# KiCad board S100-Backplane.kicad_pcb
date: 3 may 2015
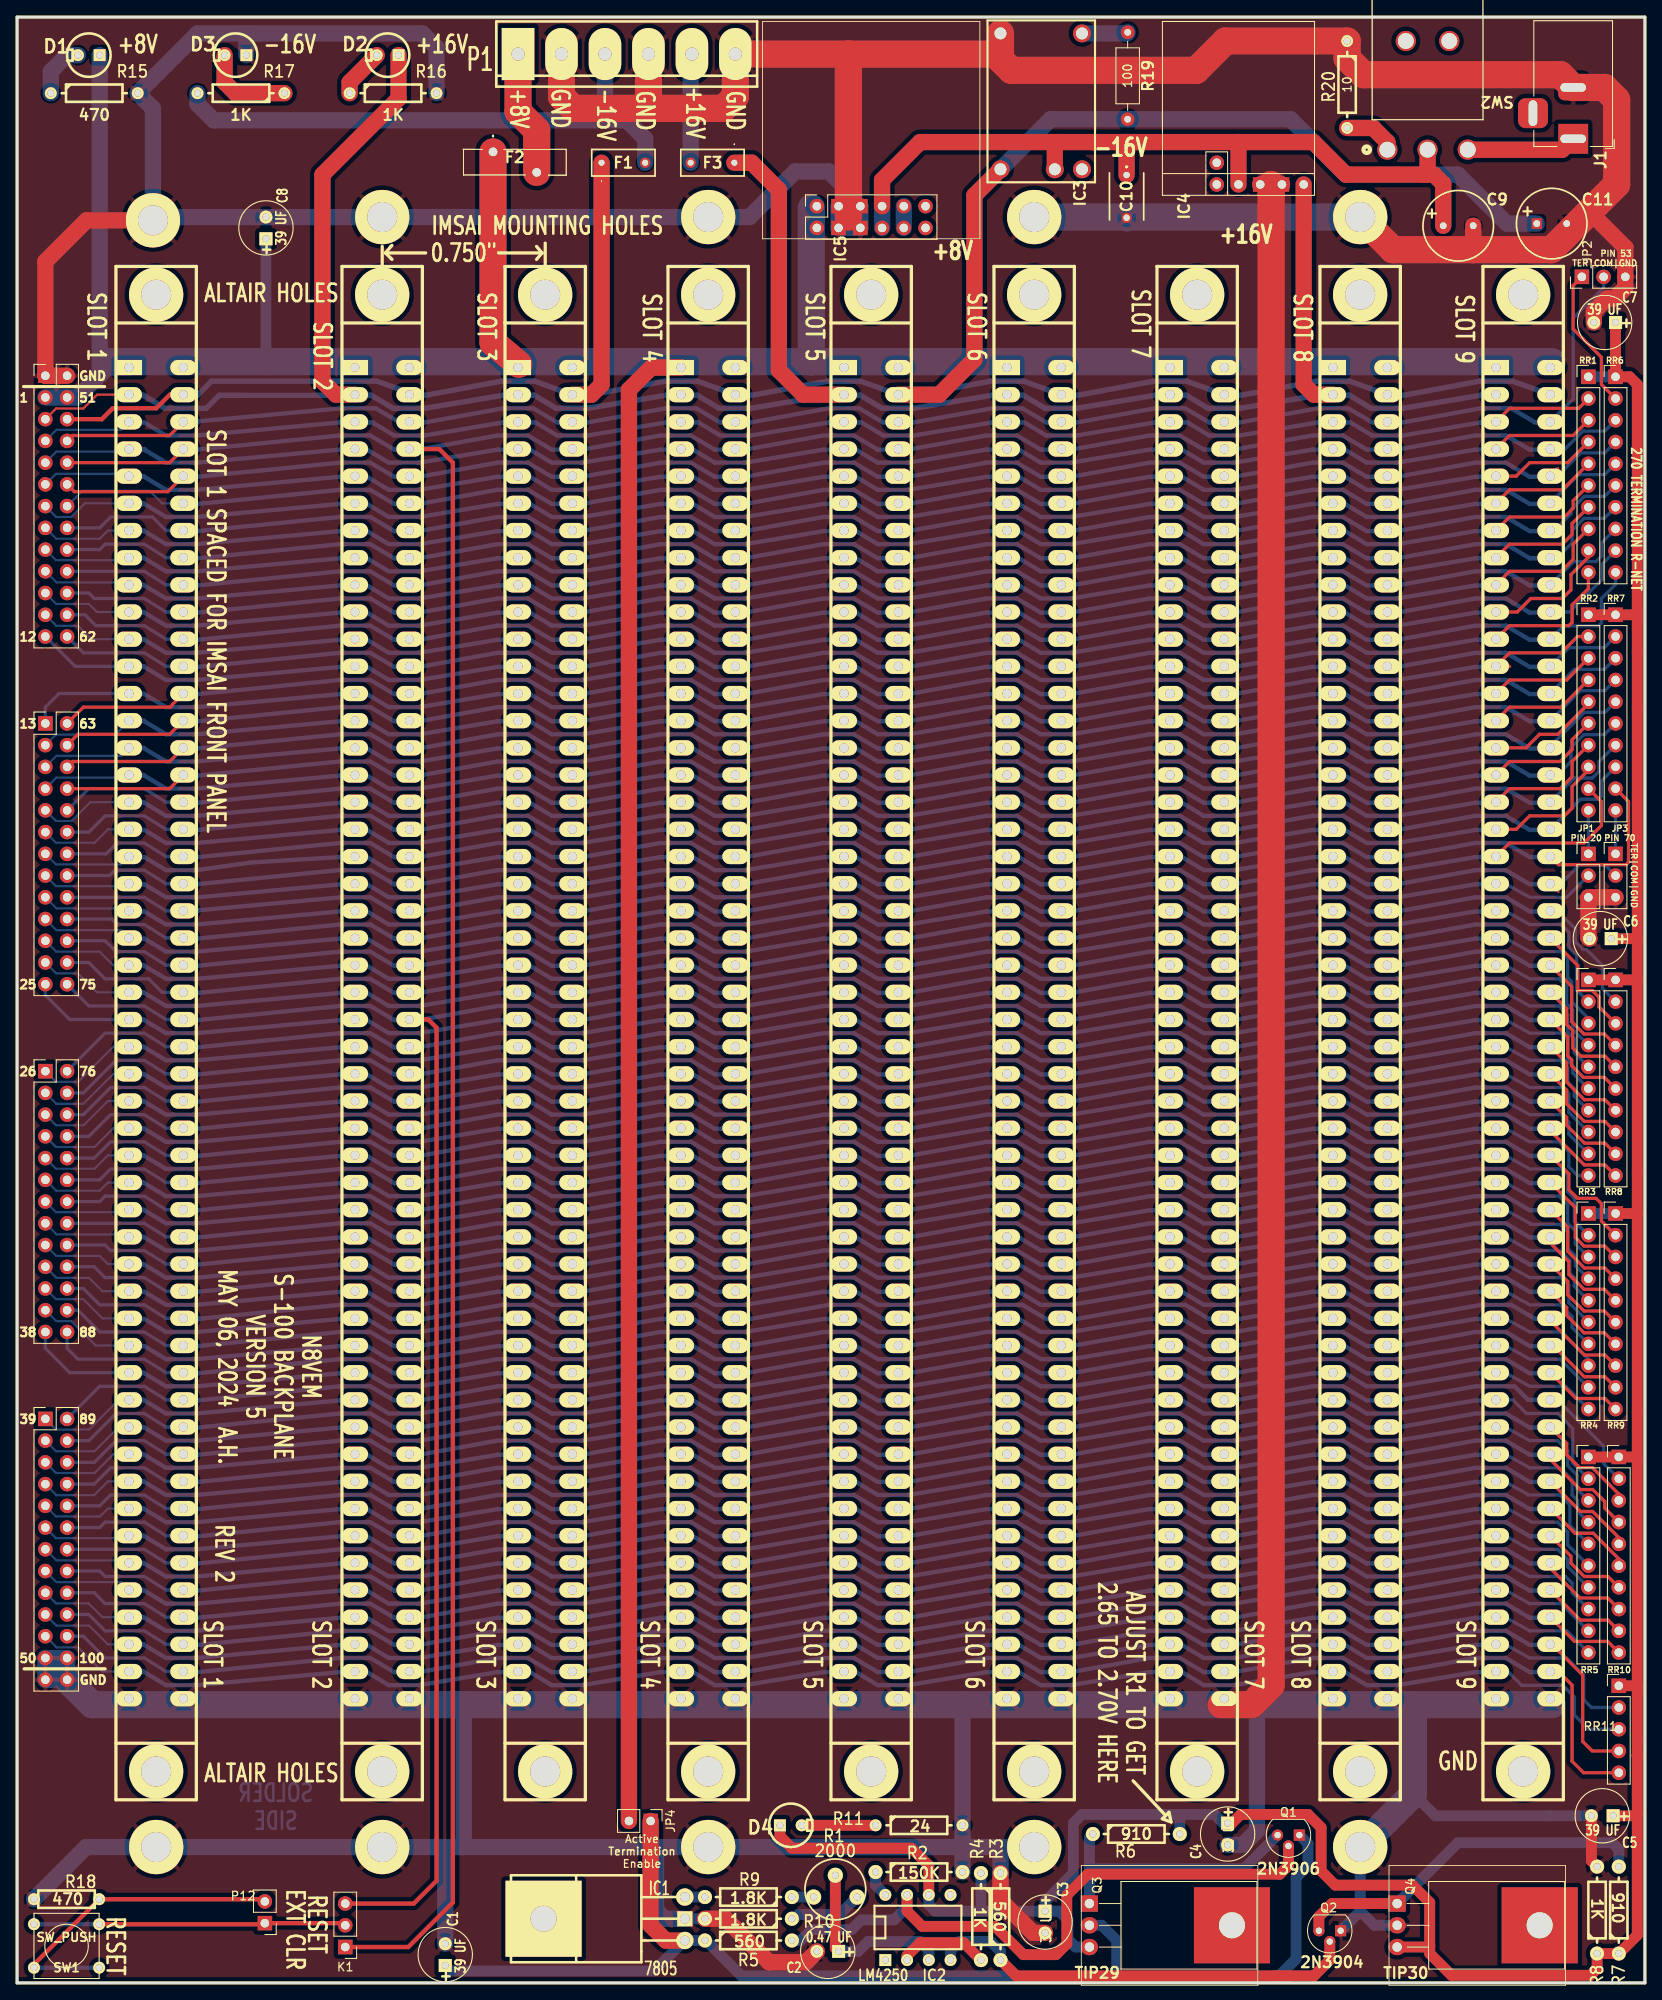
[diagram p0: board, top side]
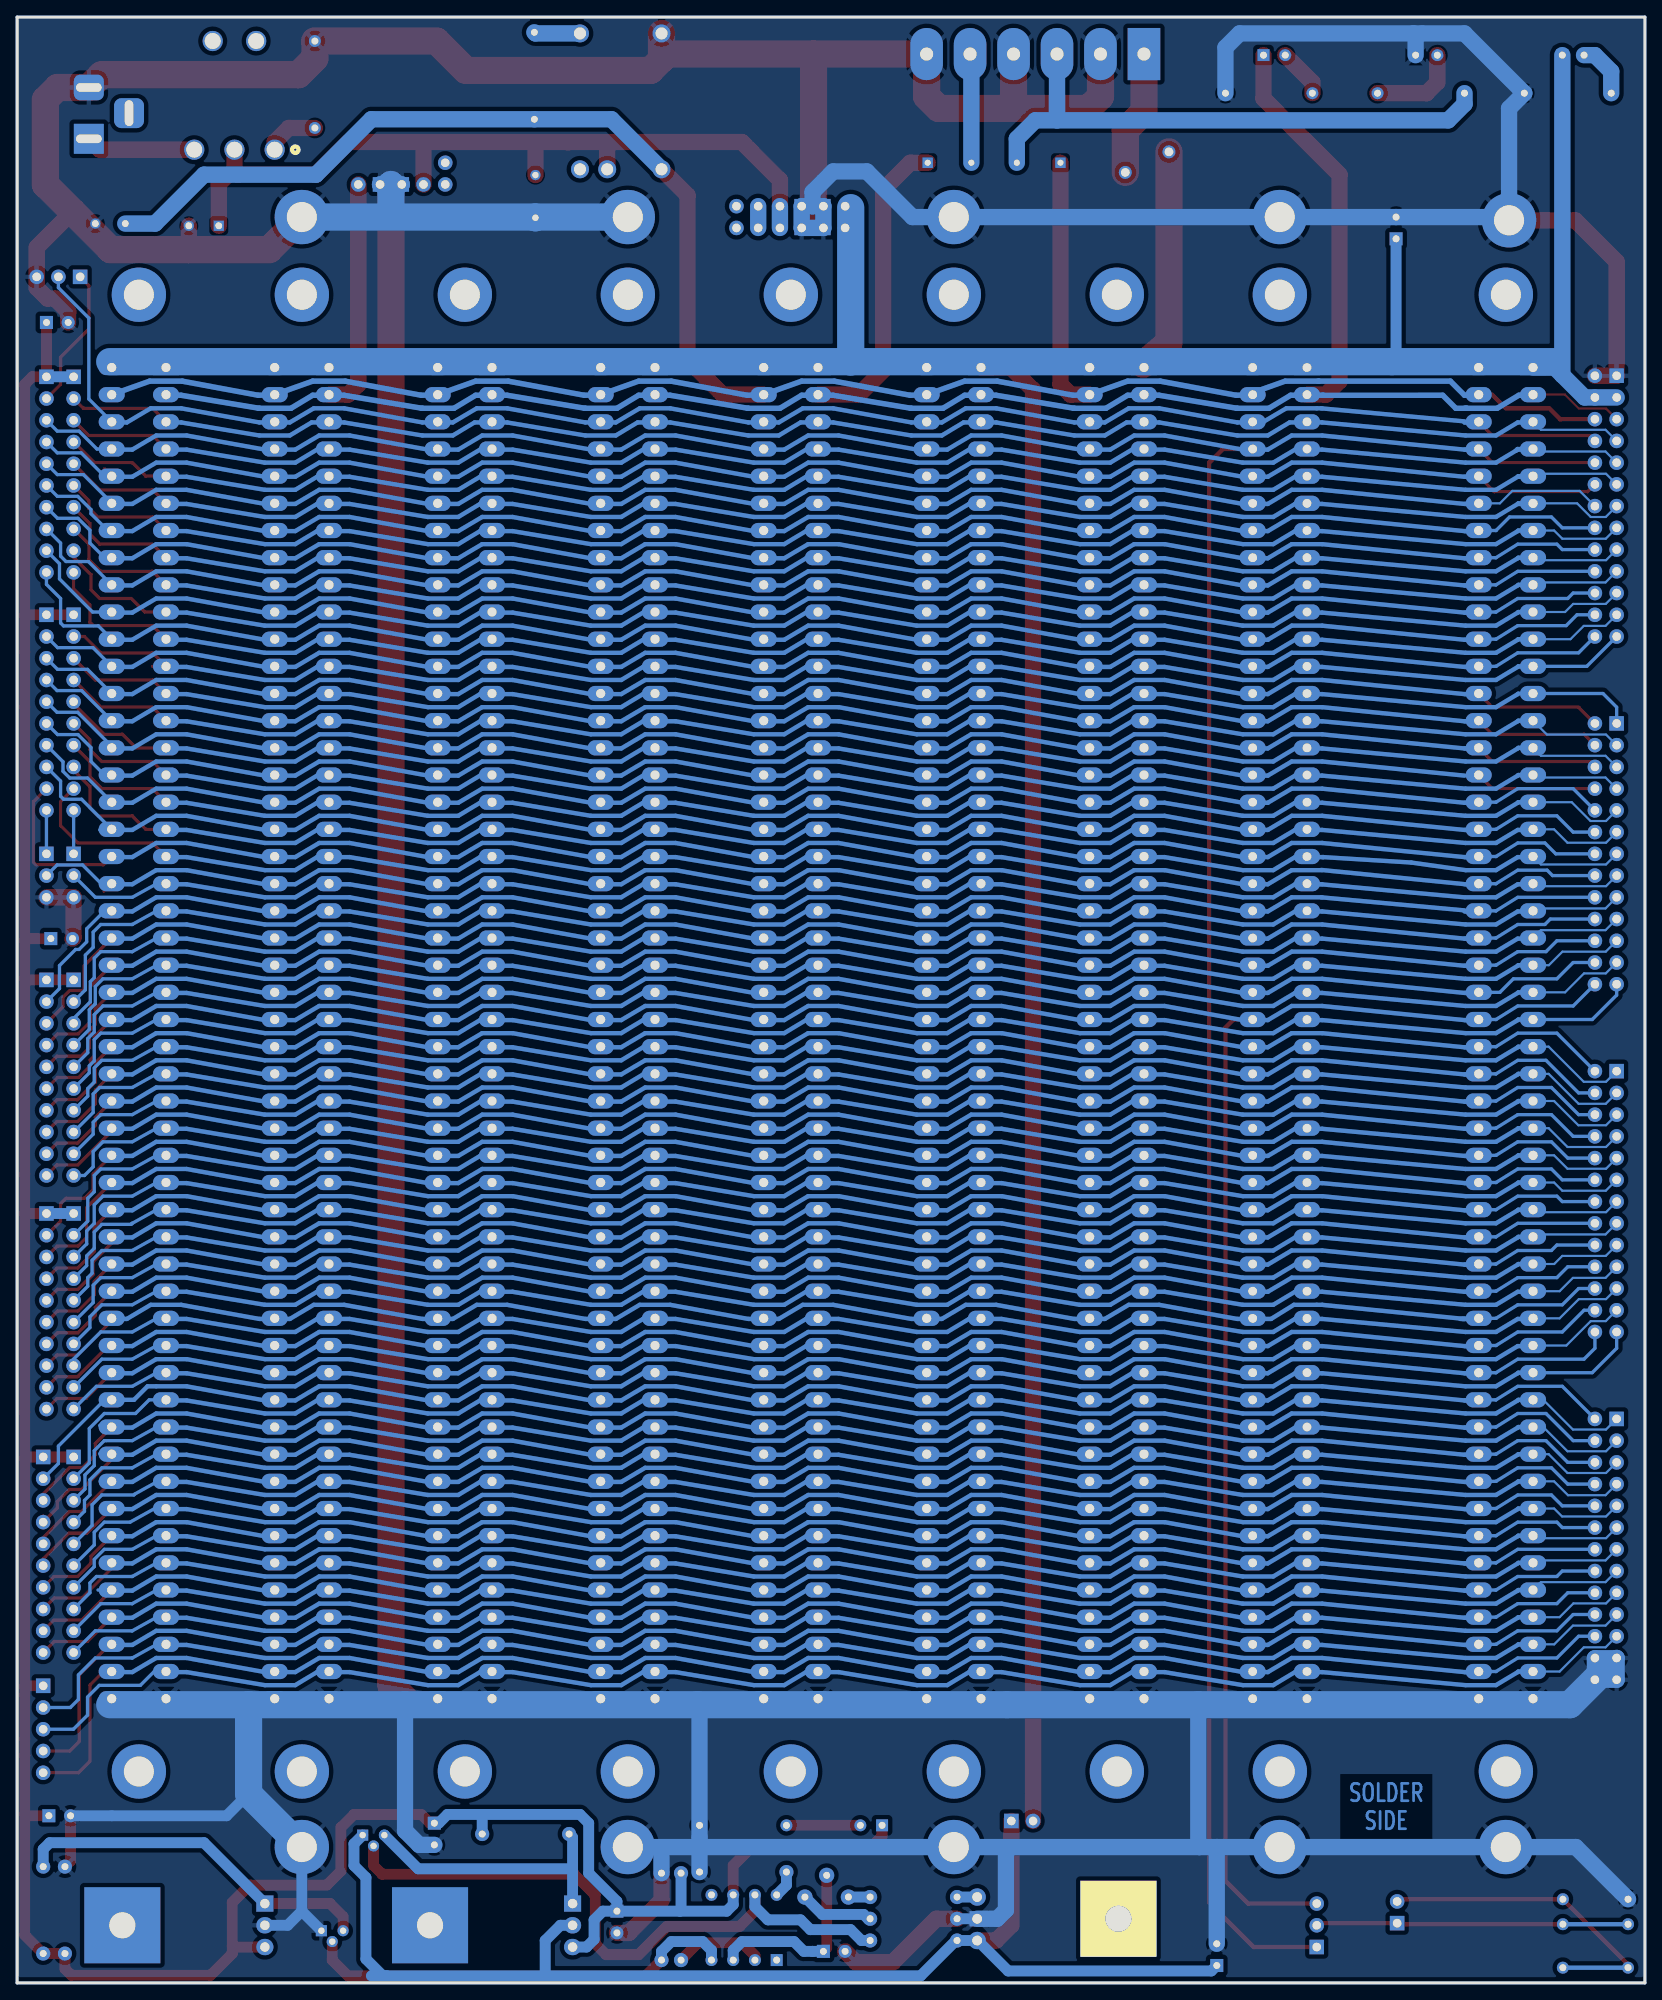
[diagram p1: board, bottom side, seen from below]

Outline 190.25 x 229.74 mm; copper layers: Component, Copper. Coordinates in mm from the lower left corner of the outline.
Outline path: 0,229.74 0,0 190.25,0 190.25,229.74 0,229.74
Stack: Component 0.035mm / dielectric 1.51mm FR4 er 4.5 / Copper 0.035mm

## Placement (name value [footprint] x y rotation side)
C1  39 UF  [C1V7]  50.04 3.3 90 top
C2  0.47 UF  [C1V7]  94.74 3.68 180 top
C3  39 UF  [C1V7]  120.14 7.11 270 top
C4  39 UF  [C1V7]  141.48 17.4 270 top
C5  39 UF  [C1V7]  185.27 19.53 180 top
C6  39 UF  [C1V7]  185.04 122.05 180 top
C7  39 UF  [C1V7]  185.55 194.06 180 top
C8  39 UF  [C1V7]  29.08 205.11 90 top
C9  100uF 50V  [CAPPRD350W60D825H1350]  166.68 205.36 0 top
C10  4.7uF 50V  [RDER72E154K3M1H03A]  129.67 211.29 270 top
C11  100uF 50V  [CAPPRD350W60D825H1350]  177.6 205.61 0 top
D1  LED  [LEDV]  8.38 225.3 180 top
D2  LED  [LEDV]  43.31 225.3 180 top
D3  LED  [LEDV]  25.53 225.3 180 top
D4  LED  [LEDV]  90.42 18.42 0 top
F1  MF-R050-2  [MFR0502]  68.31 212.73 0 top
F2  MF-R250-2  [MFR2502]  55.63 214 0 top
F3  MF-R050-2  [MFR0502]  83.82 212.73 180 top
IC1  7805  [LM78XX]  78.04 7.49 180 top
IC2  LM4250  [8dip300]  105.28 6.48 0 top
IC3  PTN78000AAH  [EUS_R-PDSS-T5_]  113.41 210.44 90 top
IC4  15V D30V30F15  [D30V30F15]  150.37 210.19 270 top
IC5  7.5V D36V50F7  [D36V50F7]  99.82 216.53 270 top
J1  Barrel_Jack_MountingPin  [BarrelJack_Horizontal]  181.86 215.52 270 top
JP1  Jumper_3_Open  [PinHeader_1x03_P2.54mm_Vertical]  183.64 131.95 0 top
JP2  Jumper_3_Open  [PinHeader_1x03_P2.54mm_Vertical]  182.88 199.39 90 top
JP3  Jumper_3_Open  [PinHeader_1x03_P2.54mm_Vertical]  186.82 131.95 0 top
JP4  ~  [PinHeader_1x02_P2.54mm_Vertical]  74.05 18.92 270 top
K1  CONN_3  [PinHeader_1x03_P2.54mm_Vertical]  38.35 4.19 180 top
P1  CONN_3X2  [bornier6]  71.25 225.43 0 top
P2  CONN_13X2  [PinHeader_2x13_P2.54mm_Vertical]  3.3 187.83 0 top
P3  CONN_13X2  [PinHeader_2x13_P2.54mm_Vertical]  3.3 147.19 0 top
P4  CONN_13X2  [PinHeader_2x13_P2.54mm_Vertical]  3.3 106.55 0 top
P5  CONN_13X2  [PinHeader_2x13_P2.54mm_Vertical]  3.3 65.91 0 top
P9  CONN_1  [1pin]  80.77 206.38 0 top
P9#2  CONN_1  [1pin]  15.88 205.99 0 top
P9#3  CONN_1  [1pin]  118.87 206.38 0 top
P9#4  CONN_1  [1pin]  156.97 206.38 0 top
P9#5  CONN_1  [1pin]  42.67 206.38 0 top
P9#6  CONN_1  [1pin]  80.77 15.88 0 top
P9#7  CONN_1  [1pin]  118.87 15.88 0 top
P9#8  CONN_1  [1pin]  156.97 15.88 0 top
P9#9  CONN_1  [1pin]  16.26 15.88 0 top
P9#10  CONN_1  [1pin]  42.67 15.88 0 top
P12  CONN_2  [PinHeader_1x02_P2.54mm_Vertical]  28.96 6.98 180 top
Q1  2N3906TF  [TO-92]  149.86 17.27 180 top
Q2  2N3904TA  [TO-92]  154.69 6.1 180 top
Q3  TIP29BG  [TO-220-3_Horizontal_TabDown]  125.33 9.27 270 top
Q4  TIP30CG  [TO-220-3_Horizontal_TabDown]  161.29 9.27 270 top
R1  2000  [RV2]  95.63 11.3 0 top
R2  150K  [R3]  105.41 12.95 0 top
R3  560  [R3]  114.94 7.75 90 top
R4  1000  [R3]  112.65 7.75 270 top
R5  560  [R3]  85.47 4.95 0 top
R6  910  [R3]  130.81 17.4 0 top
R7  910  [R3]  187.2 8.51 90 top
R8  1000  [R3]  184.66 8.51 90 top
R9  1800  [R3]  85.47 10.03 180 top
R10  1800  [R3]  85.47 7.49 180 top
R11  27  [R3#3]  105.41 18.42 0 top
R15  470  [R3#3]  9.02 220.85 0 top
R16  1K  [R3#3]  43.94 220.85 0 top
R17  1K  [R3#3]  26.16 220.85 180 top
R18  470  [R3#2]  5.78 9.78 180 top
R19  100R  [R_Axial_DIN0207_L6.3mm_D2.5mm_P10.16mm_Horizontal]  129.79 227.97 270 top
R20  10  [R3#3]  155.45 221.87 270 top
RR1  270  [PinHeader_1x10_P2.54mm_Vertical]  183.64 187.71 0 top
RR2  270  [PinHeader_1x10_P2.54mm_Vertical]  183.64 159.89 0 top
RR3  270  [PinHeader_1x10_P2.54mm_Vertical]  183.64 117.22 0 top
RR4  270  [PinHeader_1x10_P2.54mm_Vertical]  183.64 89.92 0 top
RR5  270  [PinHeader_1x10_P2.54mm_Vertical]  183.64 61.47 0 top
RR6  270  [PinHeader_1x10_P2.54mm_Vertical]  186.82 187.71 0 top
RR7  270  [PinHeader_1x10_P2.54mm_Vertical]  186.82 159.89 0 top
RR8  270  [PinHeader_1x10_P2.54mm_Vertical]  186.82 117.22 0 top
RR9  270  [PinHeader_1x10_P2.54mm_Vertical]  186.82 89.92 0 top
RR10  270  [PinHeader_1x10_P2.54mm_Vertical]  187.2 61.47 0 top
RR11  270  [PinHeader_1x05_P2.54mm_Vertical]  187.2 34.72 0 top
SW1  SW_PUSH  [SW_PUSH_SMALL]  5.78 4.32 180 top
SW2  E101MD1AQE  [SW_E1xxMD1AxE_CNK]  160.15 214.25 180 top
U31  -  [S100_FEMALE]  16.25 111.12 270 top
U32  -  [S100_FEMALE#2]  42.67 111.12 270 top
U33  -  [S100_FEMALE]  61.72 111.12 270 top
U34  -  [S100_FEMALE]  80.77 111.12 270 top
U35  -  [S100_FEMALE]  99.82 111.12 270 top
U36  -  [S100_FEMALE]  118.87 111.12 270 top
U37  -  [S100_FEMALE]  137.92 111.12 270 top
U38  -  [S100_FEMALE]  156.97 111.12 270 top
U39  -  [S100_FEMALE]  176.02 111.12 270 top

## Library data of the parts
C9 C11 = -: Description: Cap Aluminum Lytic 100uF 50V 20% (8 X 12mm) Radial 3.5mm 485mA 3000h 105C Automotive Bulk; Height: 13.5; Manufacturer_Name: Chemi-Con; Manufacturer_Part_Number: ELXZ500ELL101MH12D; Mouser Part Number: 661-ELXZ500ELL101MH1; Mouser Price/Stock: https://www.mouser.co.uk/ProductDetail/Chemi-Con/ELXZ500ELL101MH12D?qs=Bh08734uQZCPydub3Junyw%3D%3D
C10 = -: Description: Capacitor L=5.5mm W=5.0mm T=4.0mm; Height: 6.5; Manufacturer_Name: Murata Electronics; Manufacturer_Part_Number: RCER71H475K3M1H03A; Mouser Part Number: 81-RCER71H475K3M1H3A; Mouser Price/Stock: https://www.mouser.co.uk/ProductDetail/Murata-Electronics/RCER71H475K3M1H03A?qs=Zt%252BKPUOg4oeQuCXQX1BgyA%3D%3D
F1 F3 = -: Description: PTC Resettable Fuse 0.5A(hold) 1A(trip) 60V 40A 0.75W 4s 0.41Ohm Radial 7.9 X 3.1mm T/R Automotive; Height: 13.7; Manufacturer_Name: Bourns; Mouser Part Number: 652-MF-R050-2; Mouser Price/Stock: https://www.mouser.co.uk/ProductDetail/Bourns/MF-R050-2?qs=SMQt91Li6bUV71dYK9Zkdg%3D%3D
F2 = -: Description: Resettable Fuses - PPTC 2.5A 30V 0.025ohm Hold 2.5 Trip 5.00; Height: 18.3; Manufacturer_Name: Bourns; Mouser Part Number: 652-MF-R250-2; Mouser Price/Stock: https://www.mouser.co.uk/ProductDetail/Bourns/MF-R250-2?qs=xEONPtn2o9tIq8F0%2Fjm7xA%3D%3D
IC2 = -: Field8: 386
IC3 = -: Description: DC/DC Power Supply Single-OUT -15 to -3V PTN78000AAH, DC-DC Power Supply Module 7 V Input,, 5-Pin, DIP Module; Manufacturer_Name: Texas Instruments; Mouser Part Number: 595-PTN78000AAH; Mouser Price/Stock: https://www.mouser.co.uk/ProductDetail/Texas-Instruments/PTN78000AAH?qs=sSOk4GDDv7xMxL4enD0otw%3D%3D
IC4 = -: Description: Generic connector, single row, 01x05, script generated (kicad-library-utils/schlib/autogen/connector/)
IC5 = -: Description: Generic connector, double row, 02x06, odd/even pin numbering scheme (row 1 odd numbers, row 2 even numbers), script generated (kicad-library-utils/schlib/autogen/connector/)
J1 = -: Description: DC Barrel Jack with a mounting pin
JP1-JP3 = -: Description: Jumper, 3-pole, both open
JP4 = -: Description: Jumper, 2-pole, open
Q1 = -: Description: ON Semi 2N3906TF PNP Transistor, 200 mA, 40 V, 3-Pin TO-92; Manufacturer_Name: onsemi; Mouser Part Number: 512-2N3906TF; Mouser Price/Stock: https://www.mouser.co.uk/ProductDetail/onsemi-Fairchild/2N3906TF?qs=2V4k6Hs0nQlRuTN1j8DMpA%3D%3D
Q2 = -: Description: Transistor GP BJT NPN 40V 0.2A TO92-3; Manufacturer_Name: onsemi; Mouser Part Number: 512-2N3904TA; Mouser Price/Stock: https://www.mouser.co.uk/ProductDetail/onsemi-Fairchild/2N3904TA?qs=ljbEvF4DwOOn1Ev%2FzRYaoA%3D%3D
Q3 = -: Description: ONSEMI - TIP29BG - Bipolar (BJT) Single Transistor, NPN, 80 V, 1 A, 30 W, TO-220, Through Hole; Height: 4.7; Manufacturer_Name: onsemi
Q4 = -: Description: Complementary Silicon Plastic Power Transistors; Height: 4.83; Manufacturer_Name: onsemi; Mouser Part Number: 863-TIP30CG; Mouser Price/Stock: https://www.mouser.co.uk/ProductDetail/onsemi/TIP30CG?qs=xZq1yRCsb1fdZ1wKETGXLw%3D%3D
R19 = -: Description: Resistor

## Footprints (pads in the part's own frame, mm; a bottom-side part is the same pattern mirrored in y, then rotated)
1pin
  round 6.35 hole 3.505: 1(0,0)
8dip300
  rect 1.397x1.397 hole 0.813: 1(-3.81,-3.81)
  round 1.397 hole 0.813: 2(-1.27,-3.81) 3(1.27,-3.81) 4(3.81,-3.81) 5(3.81,3.81) 6(1.27,3.81) 7(-1.27,3.81) 8(-3.81,3.81)
BarrelJack_Horizontal
  rect 3.5x3.5 hole 1x3: 1(0,0)
  rrect 3x3.5 hole 1x3: 2(-6,0)
  rrect 3.5x3.5 hole 3x1: 3(-3,-4.7)
bornier6
  rect 3.81x6.096 hole 1.524: 1(-12.7,0)
  oval 3.81x6.096 hole 1.524: 2(-7.62,0) 3(-2.54,0) 4(2.54,0) 5(7.62,0) 6(12.7,0)
C1V7
  rect 1.524x1.524 hole 0.813: 1(-1.27,0)
  round 1.524 hole 0.813: 2(1.27,0)
CAPPRD350W60D825H1350
  rect 1.2x1.2 hole 0.8: 1(0,0)
  round 1.2 hole 0.8: 2(3.5,0)
D30V30F15
  round 1.7 hole 1: 1(0,-10.16) 6(-2.54,-10.16)
  oval 1.7x1.7 hole 1: 2(0,-7.62) 5(0,0)
  rect 1.7x1.7 hole 1: 3(0,-5.08) 4(0,-2.54)
D36V50F7
  round 1.7 hole 1: 1(8.89,-6.35)
  oval 1.7x1.7 hole 1: 2(11.43,-6.35) 7(8.89,1.27) 8(11.43,1.27) 9(8.89,3.81) 10(11.43,3.81) 11(8.89,6.35) 12(11.43,6.35)
  rect 1.7x1.7 hole 1: 3(8.89,-3.81) 4(11.43,-3.81) 5(8.89,-1.27) 6(11.43,-1.27)
EUS_R-PDSS-T5_
  round 2.1 hole 1.4: 1(1.52,-1.52) 2(1.52,-7.87) 3(1.52,-11.05) 4(17.4,-11.05) 5(17.4,-1.52)
LEDV
  rect 1.397x1.397 hole 0.813: 1(-1.27,0)
  round 1.397 hole 0.813: 2(1.27,0)
LM78XX
  rect 8.89x8.89 hole 3.048: 4(16.51,0)
  rect 1.778x1.778 hole 1.143: GND(0,0)
  round 2.032 hole 1.143: VI(0,2.54) VO(0,-2.54)
MFR0502
  rect 1.217x1.217 hole 0.71: 1(0,0)
  round 1.217 hole 0.71: 2(5.1,0)
MFR2502
  round 1.515 hole 1.01: 1(0,0) 2(5.1,-2.4)
PinHeader_1x02_P2.54mm_Vertical
  rect 1.7x1.7 hole 1: 1(0,0)
  oval 1.7x1.7 hole 1: 2(0,-2.54)
PinHeader_1x03_P2.54mm_Vertical
  rect 1.7x1.7 hole 1: 1(0,0)
  oval 1.7x1.7 hole 1: 2(0,-2.54) 3(0,-5.08)
PinHeader_1x05_P2.54mm_Vertical
  rect 1.7x1.7 hole 1: 1(0,0)
  oval 1.7x1.7 hole 1: 2(0,-2.54) 3(0,-5.08) 4(0,-7.62) 5(0,-10.16)
PinHeader_1x10_P2.54mm_Vertical
  rect 1.7x1.7 hole 1: 1(0,0)
  oval 1.7x1.7 hole 1: 2(0,-2.54) 3(0,-5.08) 4(0,-7.62) 5(0,-10.16) 6(0,-12.7) 7(0,-15.24) 8(0,-17.78) 9(0,-20.32) 10(0,-22.86)
PinHeader_2x13_P2.54mm_Vertical
  rect 1.7x1.7 hole 1: 1(0,0)
  oval 1.7x1.7 hole 1: 2(2.54,0) 3(0,-2.54) 4(2.54,-2.54) 5(0,-5.08) 6(2.54,-5.08) 7(0,-7.62) 8(2.54,-7.62) 9(0,-10.16) 10(2.54,-10.16) 11(0,-12.7) 12(2.54,-12.7) 13(0,-15.24) 14(2.54,-15.24) 15(0,-17.78) 16(2.54,-17.78) 17(0,-20.32) 18(2.54,-20.32) 19(0,-22.86) 20(2.54,-22.86) 21(0,-25.4) 22(2.54,-25.4) 23(0,-27.94) 24(2.54,-27.94) 25(0,-30.48) 26(2.54,-30.48)
R3
  round 1.651 hole 0.813: 1(-5.08,0) 2(5.08,0)
R3#3
  round 1.397 hole 0.813: 1(-5.08,0) 2(5.08,0)
R3#2
  round 1.397 hole 0.813: 1(-3.81,0) 2(3.81,0)
R_Axial_DIN0207_L6.3mm_D2.5mm_P10.16mm_Horizontal
  round 1.6 hole 0.8: 1(0,0)
  oval 1.6x1.6 hole 0.8: 2(10.16,0)
RDER72E154K3M1H03A
  round 1.2 hole 0.75: 1(0,0) 2(5,0)
RV2
  round 1.778 hole 0.813: 1(-2.54,-1.27) 2(0,1.27) 3(2.54,-1.27)
S100_FEMALE
  rect 1.778x3.048 hole 1.067: 1(-77.666,-3.18)
  oval 1.778x3.048 hole 1.067: 2(-74.491,-3.18) 3(-71.316,-3.18) 4(-68.141,-3.18) 5(-64.966,-3.18) 6(-61.791,-3.18) 7(-58.616,-3.18) 8(-55.441,-3.18) 9(-52.266,-3.18) 10(-49.091,-3.18) 11(-45.916,-3.18) 12(-42.741,-3.18) 13(-39.566,-3.18) 14(-36.391,-3.18) 15(-33.216,-3.18) 16(-30.041,-3.18) 17(-26.866,-3.18) 18(-23.691,-3.18) 19(-20.516,-3.18) 20(-17.341,-3.18) 21(-14.166,-3.18) 22(-10.991,-3.18) 23(-7.816,-3.18) 24(-4.641,-3.18) 25(-1.466,-3.18) 26(1.709,-3.18) 27(4.884,-3.18) 28(8.059,-3.18) 29(11.234,-3.18) 30(14.409,-3.18) 31(17.584,-3.18) 32(20.759,-3.18) 33(23.934,-3.18) 34(27.109,-3.18) 35(30.284,-3.18) 36(33.459,-3.18) 37(36.634,-3.18) 38(39.809,-3.18) 39(42.984,-3.18) 40(46.159,-3.18) 41(49.334,-3.18) 42(52.509,-3.18) 43(55.684,-3.18) 44(58.859,-3.18) 45(62.034,-3.18) 46(65.209,-3.18) 47(68.384,-3.18) 48(71.559,-3.18) 49(74.734,-3.18) 50(77.909,-3.18) 51(-77.666,3.17) 52(-74.491,3.17) 53(-71.316,3.17) 54(-68.141,3.17) 55(-64.966,3.17) 56(-61.791,3.17) 57(-58.616,3.17) 58(-55.441,3.17) 59(-52.266,3.17) 60(-49.091,3.17) 61(-45.916,3.17) 62(-42.741,3.17) 63(-39.566,3.17) 64(-36.391,3.17) 65(-33.216,3.17) 66(-30.041,3.17) 67(-26.866,3.17) 68(-23.691,3.17) 69(-20.516,3.17) 70(-17.341,3.17) 71(-14.166,3.17) 72(-10.991,3.17) 73(-7.816,3.17) 74(-4.641,3.17) 75(-1.466,3.17) 76(1.709,3.17) 77(4.884,3.17) 78(8.059,3.17) 79(11.234,3.17) 80(14.409,3.17) 81(17.584,3.17) 82(20.759,3.17) 83(23.934,3.17) 84(27.109,3.17) 85(30.284,3.17) 86(33.459,3.17) 87(36.634,3.17) 88(39.809,3.17) 89(42.984,3.17) 90(46.159,3.17) 91(49.334,3.17) 92(52.509,3.17) 93(55.684,3.17) 94(58.859,3.17) 95(62.034,3.17) 96(65.209,3.17) 97(68.384,3.17) 98(71.559,3.17) 99(74.734,3.17) 100(77.909,3.17)
  round 6.35 hole 3.505: 101(-86.175,-0.005) 102(86.418,-0.005)
S100_FEMALE#2
  rect 1.778x3.048 hole 1.016: 1(-77.666,-3.18)
  oval 1.778x3.048 hole 1.016: 2(-74.491,-3.18) 3(-71.316,-3.18) 4(-68.141,-3.18) 5(-64.966,-3.18) 6(-61.791,-3.18) 7(-58.616,-3.18) 8(-55.441,-3.18) 9(-52.266,-3.18) 10(-49.091,-3.18) 11(-45.916,-3.18) 12(-42.741,-3.18) 13(-39.566,-3.18) 14(-36.391,-3.18) 15(-33.216,-3.18) 16(-30.041,-3.18) 17(-26.866,-3.18) 18(-23.691,-3.18) 19(-20.516,-3.18) 20(-17.341,-3.18) 21(-14.166,-3.18) 22(-10.991,-3.18) 23(-7.816,-3.18) 24(-4.641,-3.18) 25(-1.466,-3.18) 26(1.709,-3.18) 27(4.884,-3.18) 28(8.059,-3.18) 29(11.234,-3.18) 30(14.409,-3.18) 31(17.584,-3.18) 32(20.759,-3.18) 33(23.934,-3.18) 34(27.109,-3.18) 35(30.284,-3.18) 36(33.459,-3.18) 37(36.634,-3.18) 38(39.809,-3.18) 39(42.984,-3.18) 40(46.159,-3.18) 41(49.334,-3.18) 42(52.509,-3.18) 43(55.684,-3.18) 44(58.859,-3.18) 45(62.034,-3.18) 46(65.209,-3.18) 47(68.384,-3.18) 48(71.559,-3.18) 49(74.734,-3.18) 50(77.909,-3.18) 51(-77.666,3.17) 52(-74.491,3.17) 53(-71.316,3.17) 54(-68.141,3.17) 55(-64.966,3.17) 56(-61.791,3.17) 57(-58.616,3.17) 58(-55.441,3.17) 59(-52.266,3.17) 60(-49.091,3.17) 61(-45.916,3.17) 62(-42.741,3.17) 63(-39.566,3.17) 64(-36.391,3.17) 65(-33.216,3.17) 66(-30.041,3.17) 67(-26.866,3.17) 68(-23.691,3.17) 69(-20.516,3.17) 70(-17.341,3.17) 71(-14.166,3.17) 72(-10.991,3.17) 73(-7.816,3.17) 74(-4.641,3.17) 75(-1.466,3.17) 76(1.709,3.17) 77(4.884,3.17) 78(8.059,3.17) 79(11.234,3.17) 80(14.409,3.17) 81(17.584,3.17) 82(20.759,3.17) 83(23.934,3.17) 84(27.109,3.17) 85(30.284,3.17) 86(33.459,3.17) 87(36.634,3.17) 88(39.809,3.17) 89(42.984,3.17) 90(46.159,3.17) 91(49.334,3.17) 92(52.509,3.17) 93(55.684,3.17) 94(58.859,3.17) 95(62.034,3.17) 96(65.209,3.17) 97(68.384,3.17) 98(71.559,3.17) 99(74.734,3.17) 100(77.909,3.17)
  round 6.35 hole 3.505: 101(-86.175,-0.005) 102(86.418,-0.005)
SW_E1xxMD1AxE_CNK
  round 2.362 hole 1.854: 1(0,0) 2(-4.699,0) 3(-9.398,0) 4(-7.239,-12.7) 5(-2.159,-12.7)
SW_PUSH_SMALL
  round 1.397 hole 0.813: 1(-3.81,2.54) 1(3.81,2.54) 2(-3.81,-2.54) 2(3.81,-2.54)
TO-92
  rect 1.3x1.3 hole 0.75: 1(0,0)
  round 1.3 hole 0.75: 2(1.27,1.27) 3(2.54,0)
TO-220-3_Horizontal_TabDown
  rect 1.905x2 hole 1.1: 1(0,0)
  oval 1.905x2 hole 1.1: 2(2.54,0) 3(5.08,0)
  rect 8.89x8.89 hole 3.048: 4(2.54,16.66)

## Nets
/VCC: IC1.VO R9.2
/VIN: C9.1 C10.1 IC3.2 IC4.2 IC5.7 IC5.8 SW2.2
GND: C1.2 C2.2 C3.2 C4.2 C5.2 C6.2 C7.2 C8.2 C9.2 C10.2 C11.2 D3.1 IC1.GND IC3.5 IC4.3 IC4.4 IC5.3 IC5.4 IC5.5 IC5.6 J1.2 JP1.3 JP2.3 JP3.3 P1.2 P1.4 P1.6 P2.1 P2.2 P5.23 P5.24 P5.25 P5.26 P9.1 P9#2.1 P9#3.1 P9#4.1 P9#5.1 P9#6.1 P9#7.1 P9#8.1 P9#9.1 P9#10.1 Q2.1 Q4.2 R2.2 R3.2 R8.2 R10.2 R11.2 R15.2 R16.2 R18.2 R20.1 U31.50 U31.100 U32.50 U32.100 U33.50 U33.100 U34.50 U34.100 U35.50 U35.100 U36.50 U36.100 U37.50 U37.100 U38.50 U38.100 U39.50 U39.100
/+8_V: F2.2 P1.1
/+18_V: F3.2 P1.5
/-16_V: F1.2 P1.3 R17.2
/---(/PHANT): P3.10 RR7.7 U31.67 U32.67 U33.67 U34.67 U35.67 U36.67 U37.67 U38.67 U39.67
//ADDDSB: P3.19 RR3.3 U31.22 U32.22 U33.22 U34.22 U35.22 U36.22 U37.22 U38.22 U39.22
//CCDSB: P3.13 RR2.9 U31.19 U32.19 U33.19 U34.19 U35.19 U36.19 U37.19 U38.19 U39.19
//CLOCK: P5.21 RR11.3 U31.49 U32.49 U33.49 U34.49 U35.49 U36.49 U37.49 U38.49 U39.49
//DODSB: P3.21 RR3.4 U31.23 U32.23 U33.23 U34.23 U35.23 U36.23 U37.23 U38.23 U39.23
//EXTCLR: K1.1 P2.10 RR6.3 U31.54 U32.54 U33.54 U34.54 U35.54 U36.54 U37.54 U38.54 U39.54
//J_SSW_DSBL: JP2.2 P2.8 U31.53 U32.53 U33.53 U34.53 U35.53 U36.53 U37.53 U38.53 U39.53
//PHOLD: P3.24 RR8.5 U31.74 U32.74 U33.74 U34.74 U35.74 U36.74 U37.74 U38.74 U39.74
//PINT: P3.22 RR8.4 U31.73 U32.73 U33.73 U34.73 U35.73 U36.73 U37.73 U38.73 U39.73
//POC: P5.22 RR11.5 U31.99 U32.99 U33.99 U34.99 U35.99 U36.99 U37.99 U38.99 U39.99
//PRESET: K1.3 P3.26 RR8.6 U31.75 U32.75 U33.75 U34.75 U35.75 U36.75 U37.75 U38.75 U39.75
//PS(---): P3.14 RR7.9 U31.69 U32.69 U33.69 U34.69 U35.69 U36.69 U37.69 U38.69 U39.69
//PWR: P4.4 RR8.8 U31.77 U32.77 U33.77 U34.77 U35.77 U36.77 U37.77 U38.77 U39.77
//SSW_DSBL: JP2.1 RR6.2
//STADSB: P3.11 RR2.8 U31.18 U32.18 U33.18 U34.18 U35.18 U36.18 U37.18 U38.18 U39.18
//STSTB(---): P2.14 RR6.5 U31.56 U32.56 U33.56 U34.56 U35.56 U36.56 U37.56 U38.56 U39.56
//SWO: P5.18 RR10.10 U31.97 U32.97 U33.97 U34.97 U35.97 U36.97 U37.97 U38.97 U39.97
/A0: P4.8 RR8.10 U31.79 U32.79 U33.79 U34.79 U35.79 U36.79 U37.79 U38.79 U39.79
/A1: P4.10 RR9.2 U31.80 U32.80 U33.80 U34.80 U35.80 U36.80 U37.80 U38.80 U39.80
/A2: P4.12 RR9.3 U31.81 U32.81 U33.81 U34.81 U35.81 U36.81 U37.81 U38.81 U39.81
/A3: P4.11 RR4.3 U31.31 U32.31 U33.31 U34.31 U35.31 U36.31 U37.31 U38.31 U39.31
/A4: P4.9 RR4.2 U31.30 U32.30 U33.30 U34.30 U35.30 U36.30 U37.30 U38.30 U39.30
/A5: P4.7 RR3.10 U31.29 U32.29 U33.29 U34.29 U35.29 U36.29 U37.29 U38.29 U39.29
/A6: P4.14 RR9.4 U31.82 U32.82 U33.82 U34.82 U35.82 U36.82 U37.82 U38.82 U39.82
/A7: P4.16 RR9.5 U31.83 U32.83 U33.83 U34.83 U35.83 U36.83 U37.83 U38.83 U39.83
/A8: P4.18 RR9.6 U31.84 U32.84 U33.84 U34.84 U35.84 U36.84 U37.84 U38.84 U39.84
/A9: P4.17 RR4.6 U31.34 U32.34 U33.34 U34.34 U35.34 U36.34 U37.34 U38.34 U39.34
/A10: P4.23 RR4.9 U31.37 U32.37 U33.37 U34.37 U35.37 U36.37 U37.37 U38.37 U39.37
/A11: P4.24 RR9.9 U31.87 U32.87 U33.87 U34.87 U35.87 U36.87 U37.87 U38.87 U39.87
/A12: P4.15 RR4.5 U31.33 U32.33 U33.33 U34.33 U35.33 U36.33 U37.33 U38.33 U39.33
/A13: P4.20 RR9.7 U31.85 U32.85 U33.85 U34.85 U35.85 U36.85 U37.85 U38.85 U39.85
/A14: P4.22 RR9.8 U31.86 U32.86 U33.86 U34.86 U35.86 U36.86 U37.86 U38.86 U39.86
/A15: P4.13 RR4.4 U31.32 U32.32 U33.32 U34.32 U35.32 U36.32 U37.32 U38.32 U39.32
/DI0: P5.14 RR10.8 U31.95 U32.95 U33.95 U34.95 U35.95 U36.95 U37.95 U38.95 U39.95
/DI1: P5.12 RR10.7 U31.94 U32.94 U33.94 U34.94 U35.94 U36.94 U37.94 U38.94 U39.94
/DI2: P5.5 RR5.4 U31.41 U32.41 U33.41 U34.41 U35.41 U36.41 U37.41 U38.41 U39.41
/DI3: P5.7 RR5.5 U31.42 U32.42 U33.42 U34.42 U35.42 U36.42 U37.42 U38.42 U39.42
/DI4: P5.6 RR10.4 U31.91 U32.91 U33.91 U34.91 U35.91 U36.91 U37.91 U38.91 U39.91
/DI5: P5.8 RR10.5 U31.92 U32.92 U33.92 U34.92 U35.92 U36.92 U37.92 U38.92 U39.92
/DI6: P5.10 RR10.6 U31.93 U32.93 U33.93 U34.93 U35.93 U36.93 U37.93 U38.93 U39.93
/DI7: P5.9 RR5.6 U31.43 U32.43 U33.43 U34.43 U35.43 U36.43 U37.43 U38.43 U39.43
/DIG1(---): P2.16 RR6.6 U31.57 U32.57 U33.57 U34.57 U35.57 U36.57 U37.57 U38.57 U39.57
/DO0: P4.21 RR4.8 U31.36 U32.36 U33.36 U34.36 U35.36 U36.36 U37.36 U38.36 U39.36
/DO1: P4.19 RR4.7 U31.35 U32.35 U33.35 U34.35 U35.35 U36.35 U37.35 U38.35 U39.35
/DO2: P4.26 RR9.10 U31.88 U32.88 U33.88 U34.88 U35.88 U36.88 U37.88 U38.88 U39.88
/DO3: P5.2 RR10.2 U31.89 U32.89 U33.89 U34.89 U35.89 U36.89 U37.89 U38.89 U39.89
/DO4: P4.25 RR4.10 U31.38 U32.38 U33.38 U34.38 U35.38 U36.38 U37.38 U38.38 U39.38
/DO5: P5.1 RR5.2 U31.39 U32.39 U33.39 U34.39 U35.39 U36.39 U37.39 U38.39 U39.39
/DO6: P5.3 RR5.3 U31.40 U32.40 U33.40 U34.40 U35.40 U36.40 U37.40 U38.40 U39.40
/DO7: P5.4 RR10.3 U31.90 U32.90 U33.90 U34.90 U35.90 U36.90 U37.90 U38.90 U39.90
/F+8V: C8.1 D1.1 F2.1 IC5.1 IC5.2 JP4.2 P2.3 P2.4 U31.1 U31.51 U32.1 U32.51 U33.1 U33.51 U34.1 U34.51 U35.1 U35.51 U36.1 U36.51 U37.1 U37.51 U38.1 U38.51 U39.1 U39.51
/F+16V: D2.1 F3.1 IC4.5 P2.5 U31.2 U32.2 U33.2 U34.2 U35.2 U36.2 U37.2 U38.2 U39.2
/F-16V: C11.1 F1.1 IC3.1 P2.6 R19.2 U31.52 U32.52 U33.52 U34.52 U35.52 U36.52 U37.52 U38.52 U39.52
/FRDY(---): P2.18 RR6.7 U31.58 U32.58 U33.58 U34.58 U35.58 U36.58 U37.58 U38.58 U39.58
/J_F+8V: C1.1 IC1.VI JP4.1 Q1.1 Q3.2 R5.1
/J_PROT(GND): JP3.2 P3.16 U31.70 U32.70 U33.70 U34.70 U35.70 U36.70 U37.70 U38.70 U39.70
/J_UNPROT(T5): JP1.2 P3.15 U31.20 U32.20 U33.20 U34.20 U35.20 U36.20 U37.20 U38.20 U39.20
/MWRT: P3.12 RR7.8 U31.68 U32.68 U33.68 U34.68 U35.68 U36.68 U37.68 U38.68 U39.68
/PDBIN: P4.6 RR8.9 U31.78 U32.78 U33.78 U34.78 U35.78 U36.78 U37.78 U38.78 U39.78
/phi1: P3.25 RR3.6 U31.25 U32.25 U33.25 U34.25 U35.25 U36.25 U37.25 U38.25 U39.25
/phi2: P3.23 RR3.5 U31.24 U32.24 U33.24 U34.24 U35.24 U36.24 U37.24 U38.24 U39.24
/PHLDA: P4.1 RR3.7 U31.26 U32.26 U33.26 U34.26 U35.26 U36.26 U37.26 U38.26 U39.26
/pin_12: P2.25 RR2.2 U31.12 U32.12 U33.12 U34.12 U35.12 U36.12 U37.12 U38.12 U39.12
/pin_13: P3.1 RR2.3 U31.13 U32.13 U33.13 U34.13 U35.13 U36.13 U37.13 U38.13 U39.13
/pin_14: P3.3 RR2.4 U31.14 U32.14 U33.14 U34.14 U35.14 U36.14 U37.14 U38.14 U39.14